# KiCad board PANEL_COM_MOD.kicad_pcb
title: Com. module; date: 2023-12-25; rev: 1.0; company: Aightech
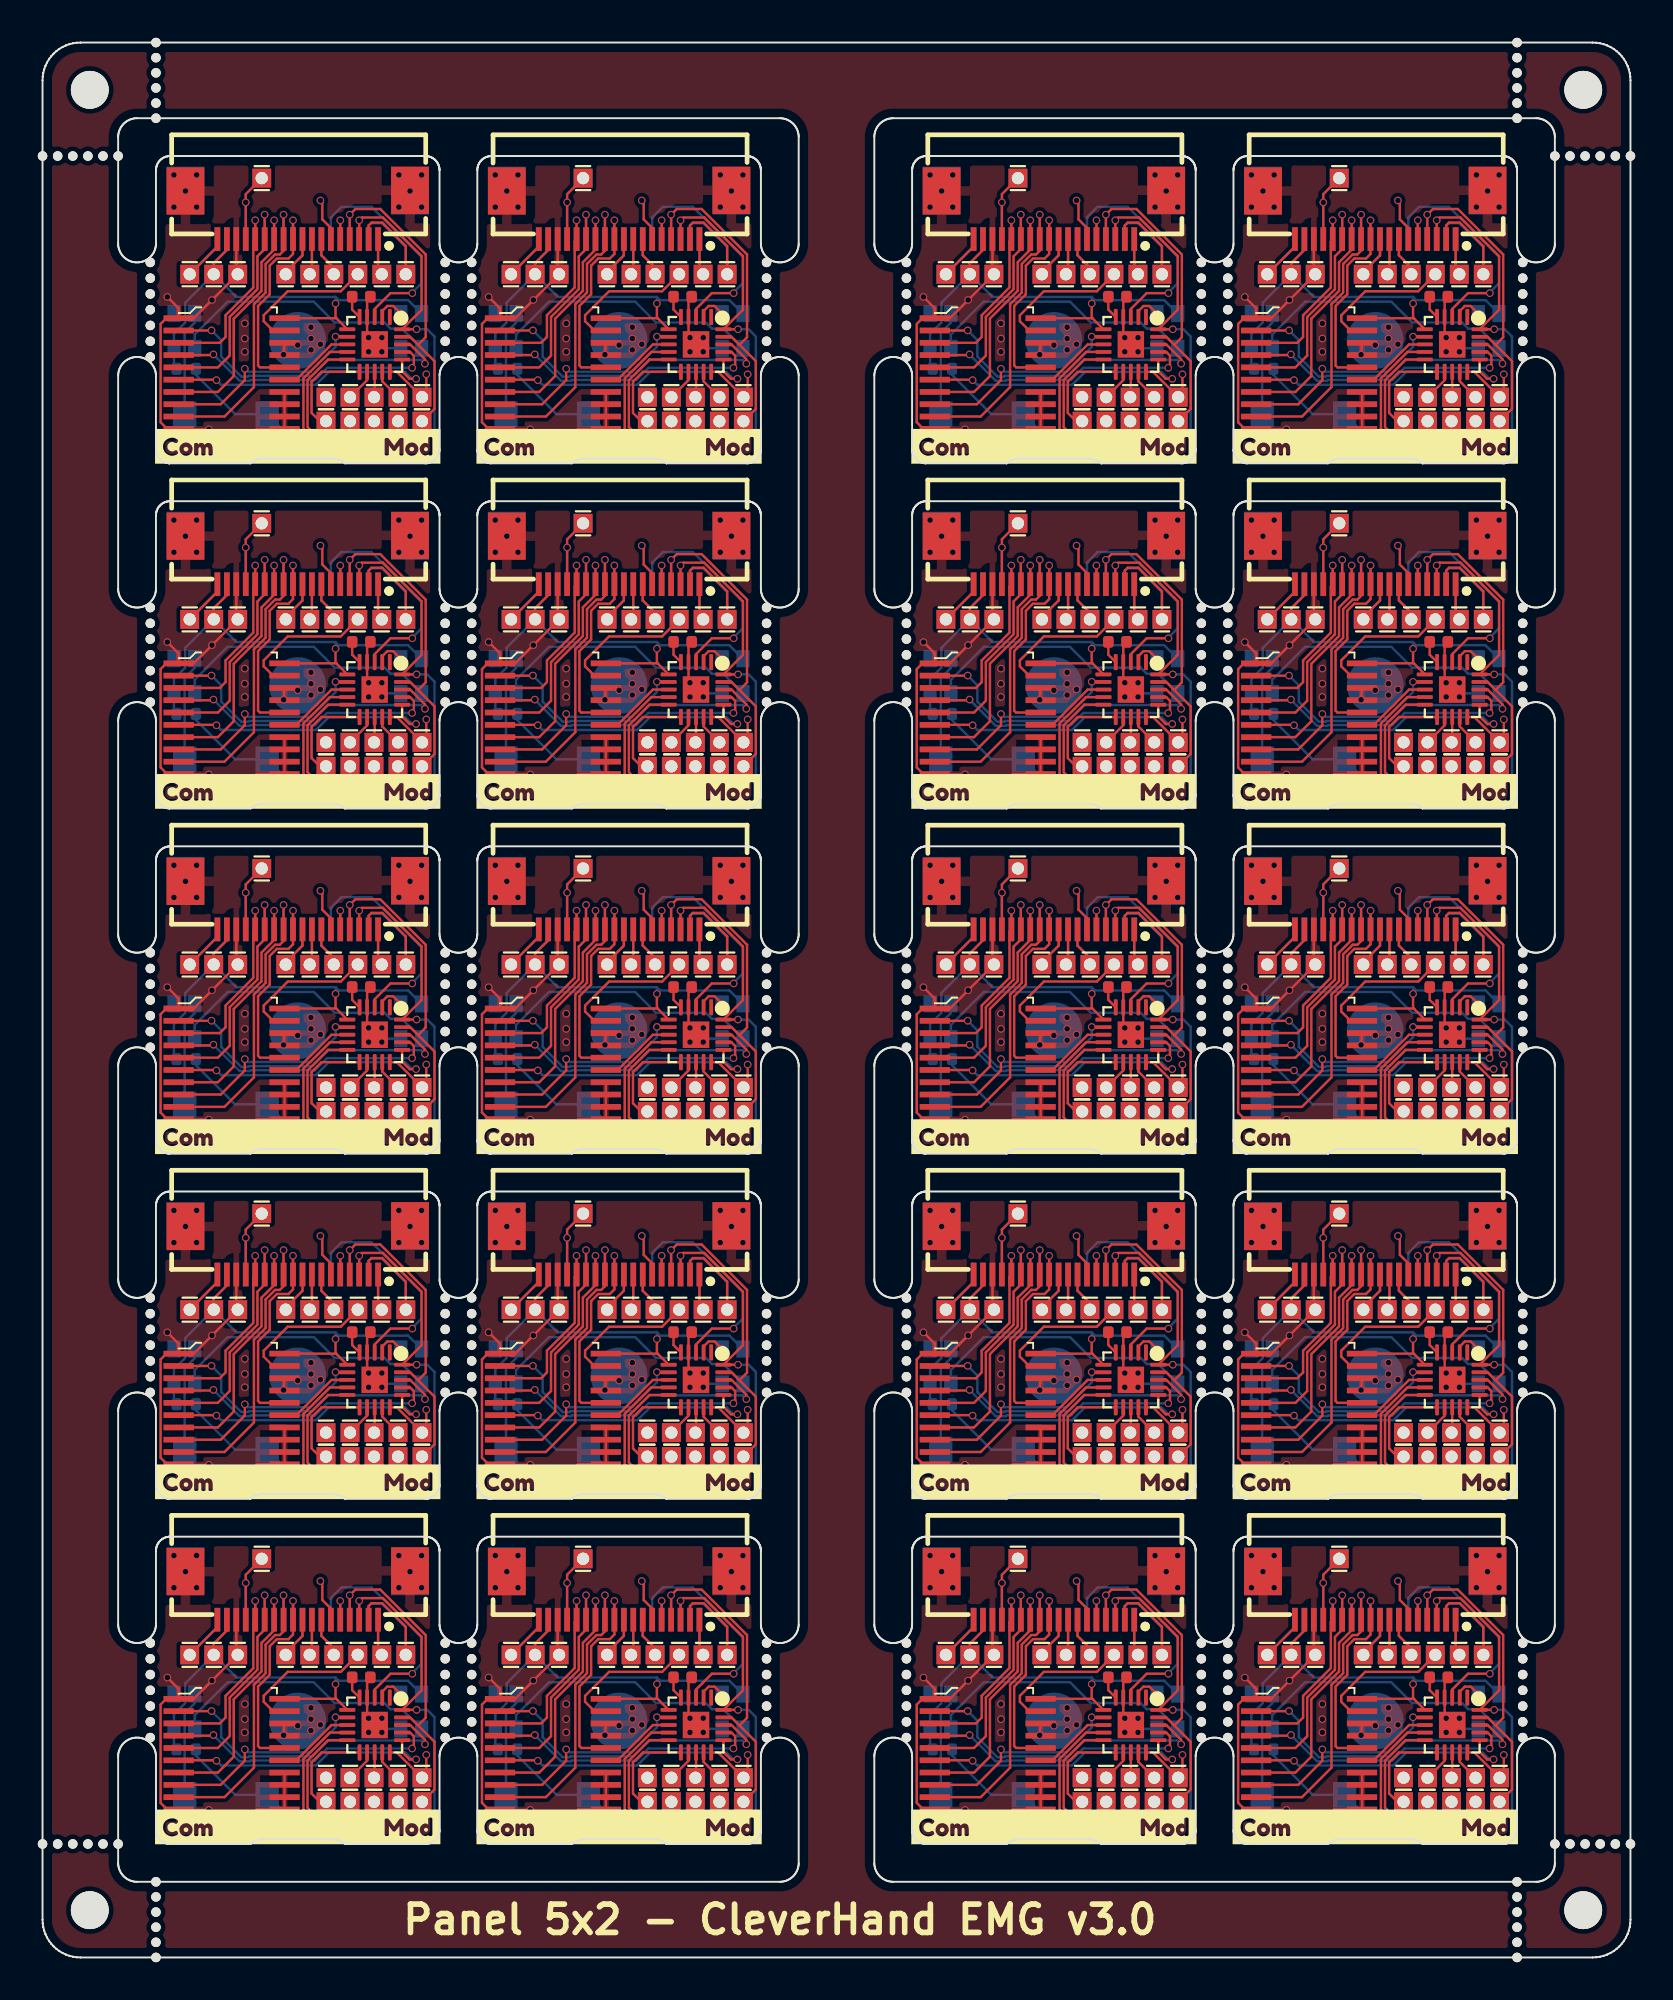
[diagram p0: board, top side]
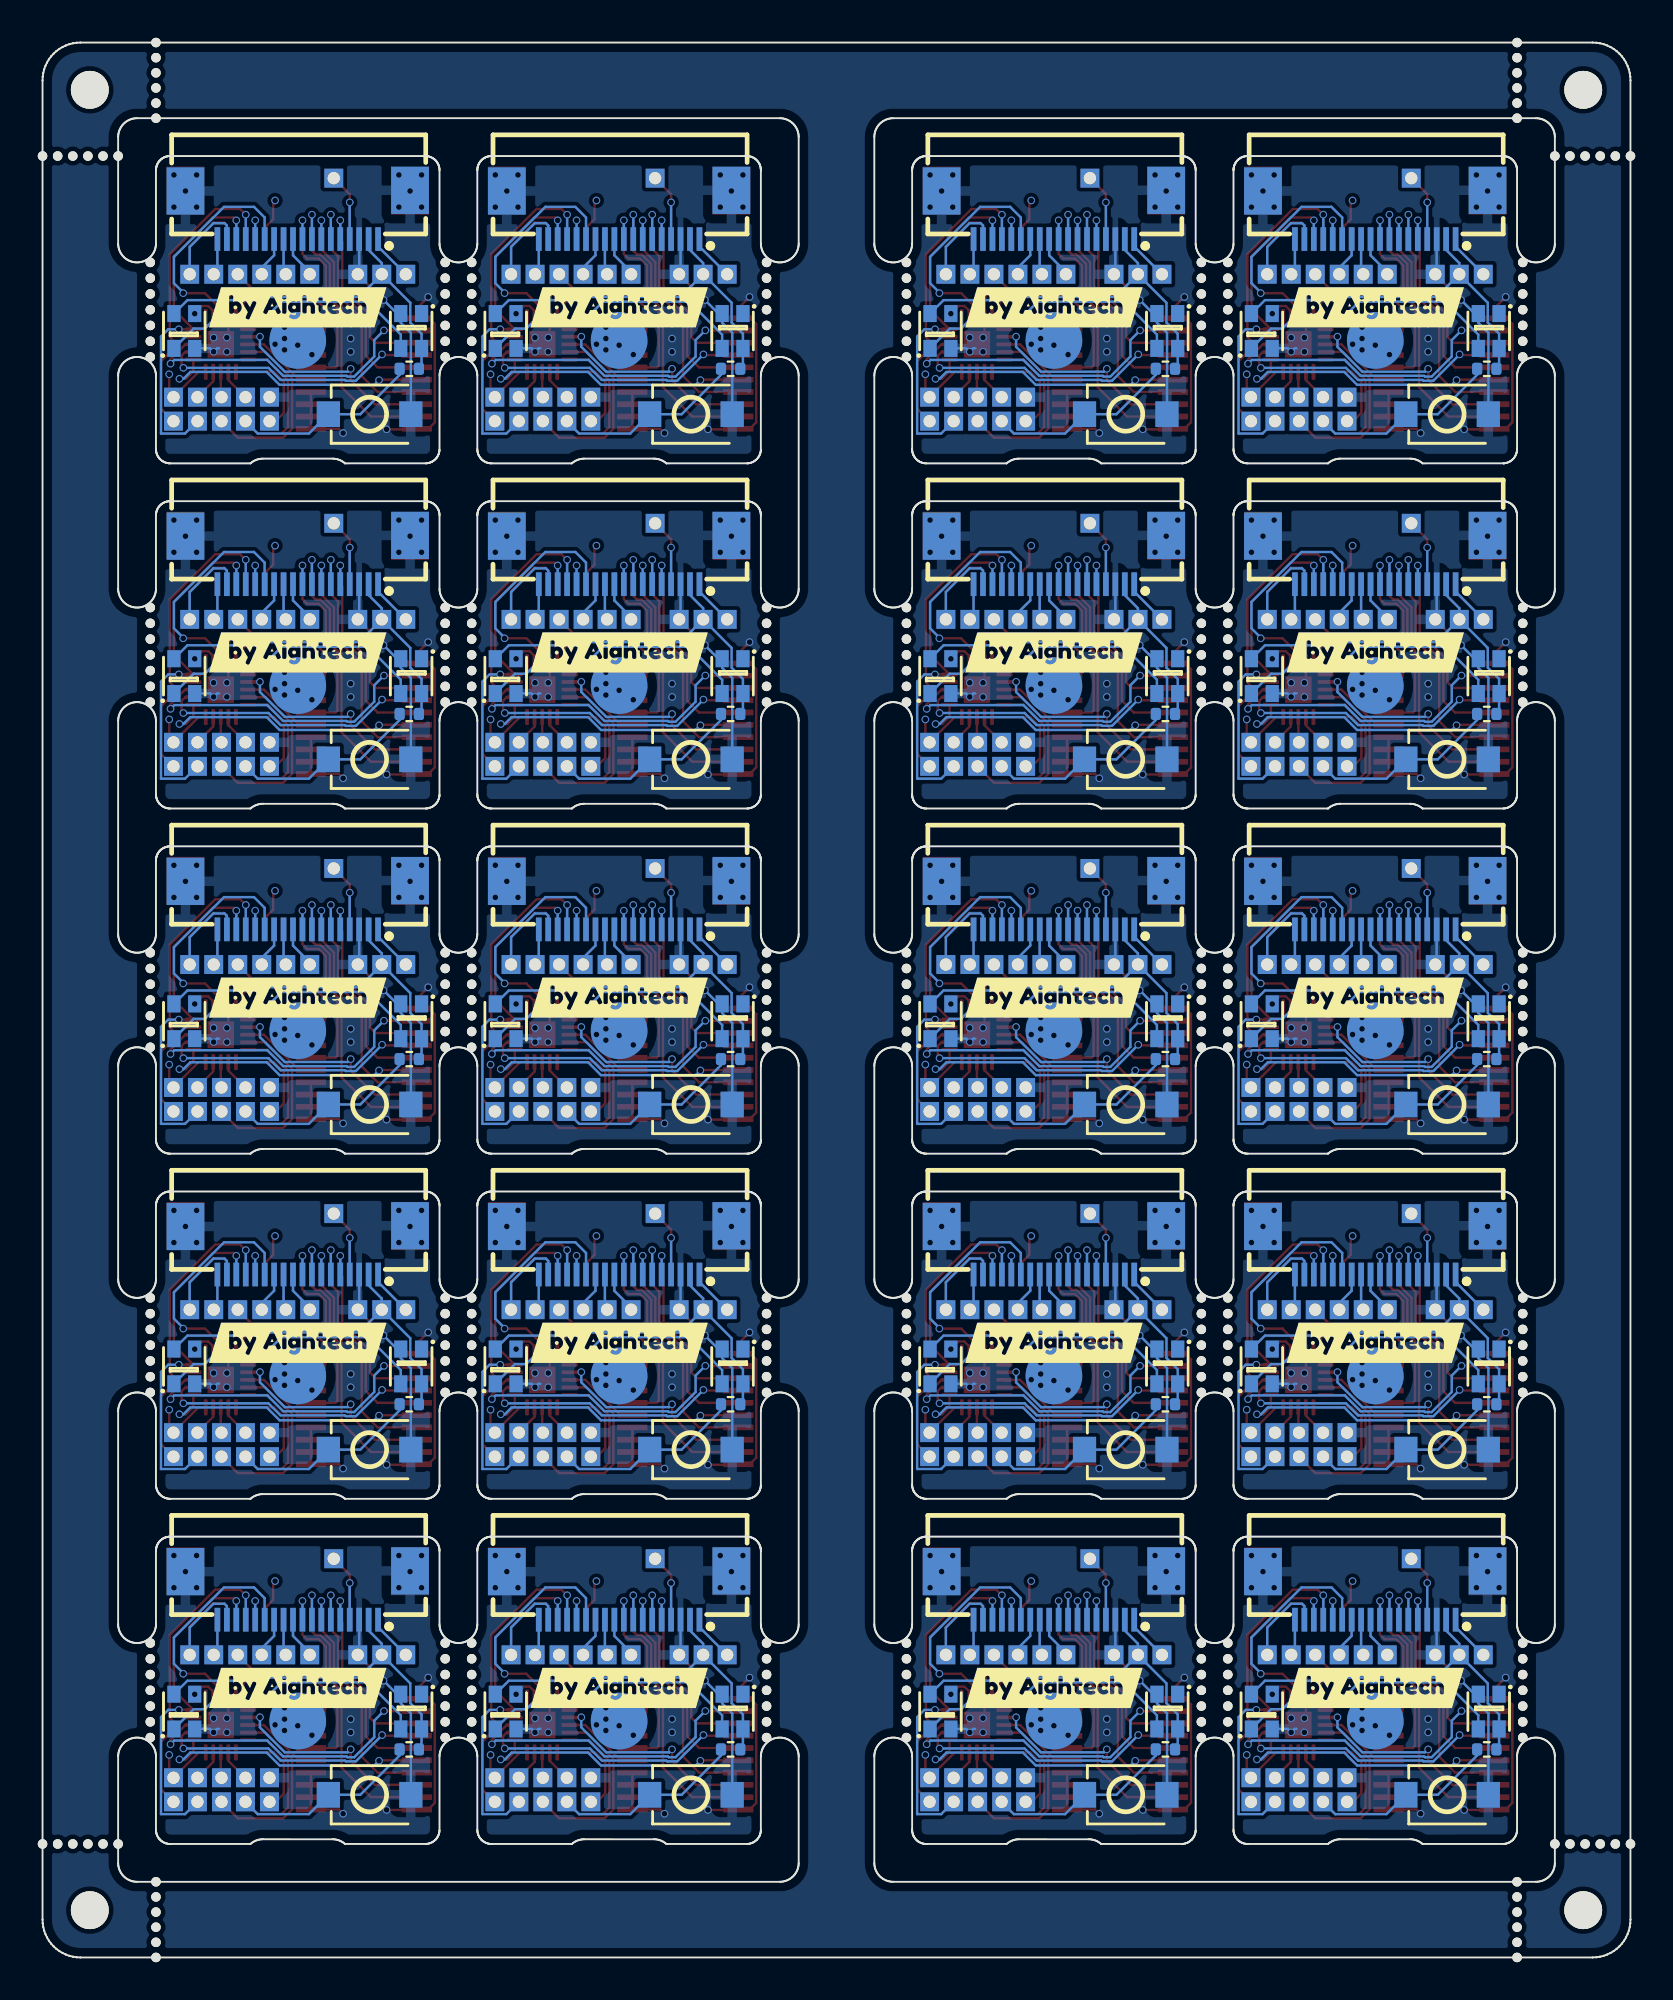
[diagram p1: board, bottom side, seen from below]

Outline 84 x 101.25 mm; copper layers: Top, In1.Cu, In2.Cu, Bottom. Coordinates in mm from the lower left corner of the outline.
Stack: Top 0.035mm / dielectric 0.1mm FR4 er 4.5 / In1.Cu 0.035mm / dielectric 0.44mm FR4 er 4.5 / In2.Cu 0.035mm / dielectric 0.1mm FR4 er 4.5 / Bottom 0.035mm

## Placement (name value [footprint] x y rotation side)
C1  4.7uF  [C_0402_1005Metric]  33.86 69.56 180 top
C1#2  4.7uF  [C_0402_1005Metric]  56.86 51.31 180 top
C1#3  4.7uF  [C_0402_1005Metric]  33.86 33.06 180 top
C1#4  4.7uF  [C_0402_1005Metric]  56.86 69.56 180 top
C1#5  4.7uF  [C_0402_1005Metric]  16.86 69.56 180 top
C1#6  4.7uF  [C_0402_1005Metric]  16.86 14.81 180 top
C1#7  4.7uF  [C_0402_1005Metric]  56.86 14.81 180 top
C1#8  4.7uF  [C_0402_1005Metric]  16.86 33.06 180 top
C1#9  4.7uF  [C_0402_1005Metric]  16.86 51.31 180 top
C1#10  4.7uF  [C_0402_1005Metric]  56.86 33.06 180 top
C1#11  4.7uF  [C_0402_1005Metric]  73.86 33.06 180 top
C1#12  4.7uF  [C_0402_1005Metric]  73.86 69.56 180 top
C1#13  4.7uF  [C_0402_1005Metric]  33.86 14.81 180 top
C1#14  4.7uF  [C_0402_1005Metric]  73.86 14.81 180 top
C1#15  4.7uF  [C_0402_1005Metric]  56.86 87.81 180 top
C1#16  4.7uF  [C_0402_1005Metric]  33.86 51.31 180 top
C1#17  4.7uF  [C_0402_1005Metric]  16.86 87.81 180 top
C1#18  4.7uF  [C_0402_1005Metric]  73.86 51.31 180 top
C1#19  4.7uF  [C_0402_1005Metric]  73.86 87.81 180 top
C1#20  4.7uF  [C_0402_1005Metric]  33.86 87.81 180 top
FPC1  FPC-05F-18PH20  [FPC-SMD_18P-P0.50_FPC-05F-18PH20]  30.5 19.15 0 bottom
FPC1#2  FPC-05F-18PH20  [FPC-SMD_18P-P0.50_FPC-05F-18PH20]  70.5 73.9 0 bottom
FPC1#3  FPC-05F-18PH20  [FPC-SMD_18P-P0.50_FPC-05F-18PH20]  30.5 55.65 0 bottom
FPC1#4  FPC-05F-18PH20  [FPC-SMD_18P-P0.50_FPC-05F-18PH20]  53.5 37.4 0 bottom
FPC1#5  FPC-05F-18PH20  [FPC-SMD_18P-P0.50_FPC-05F-18PH20]  53.5 73.9 0 bottom
FPC1#6  FPC-05F-18PH20  [FPC-SMD_18P-P0.50_FPC-05F-18PH20]  70.5 37.4 0 bottom
FPC1#7  FPC-05F-18PH20  [FPC-SMD_18P-P0.50_FPC-05F-18PH20]  13.5 92.15 0 bottom
FPC1#8  FPC-05F-18PH20  [FPC-SMD_18P-P0.50_FPC-05F-18PH20]  53.5 55.65 0 bottom
FPC1#9  FPC-05F-18PH20  [FPC-SMD_18P-P0.50_FPC-05F-18PH20]  30.5 92.15 0 bottom
FPC1#10  FPC-05F-18PH20  [FPC-SMD_18P-P0.50_FPC-05F-18PH20]  13.5 37.4 0 bottom
FPC1#11  FPC-05F-18PH20  [FPC-SMD_18P-P0.50_FPC-05F-18PH20]  70.5 19.15 0 bottom
FPC1#12  FPC-05F-18PH20  [FPC-SMD_18P-P0.50_FPC-05F-18PH20]  30.5 37.4 0 bottom
FPC1#13  FPC-05F-18PH20  [FPC-SMD_18P-P0.50_FPC-05F-18PH20]  13.5 19.15 0 bottom
FPC1#14  FPC-05F-18PH20  [FPC-SMD_18P-P0.50_FPC-05F-18PH20]  70.5 55.65 0 bottom
FPC1#15  FPC-05F-18PH20  [FPC-SMD_18P-P0.50_FPC-05F-18PH20]  70.5 92.15 0 bottom
FPC1#16  FPC-05F-18PH20  [FPC-SMD_18P-P0.50_FPC-05F-18PH20]  13.5 55.65 0 bottom
FPC1#17  FPC-05F-18PH20  [FPC-SMD_18P-P0.50_FPC-05F-18PH20]  53.5 19.15 0 bottom
FPC1#18  FPC-05F-18PH20  [FPC-SMD_18P-P0.50_FPC-05F-18PH20]  53.5 92.15 0 bottom
FPC1#19  FPC-05F-18PH20  [FPC-SMD_18P-P0.50_FPC-05F-18PH20]  13.5 73.9 0 bottom
FPC1#20  FPC-05F-18PH20  [FPC-SMD_18P-P0.50_FPC-05F-18PH20]  30.5 73.9 0 bottom
FPC2  FPC-05F-18PH20  [FPC-SMD_18P-P0.50_FPC-05F-18PH20]  30.5 73.9 180 top
FPC2#2  FPC-05F-18PH20  [FPC-SMD_18P-P0.50_FPC-05F-18PH20]  13.5 19.15 180 top
FPC2#3  FPC-05F-18PH20  [FPC-SMD_18P-P0.50_FPC-05F-18PH20]  30.5 37.4 180 top
FPC2#4  FPC-05F-18PH20  [FPC-SMD_18P-P0.50_FPC-05F-18PH20]  13.5 73.9 180 top
FPC2#5  FPC-05F-18PH20  [FPC-SMD_18P-P0.50_FPC-05F-18PH20]  53.5 55.65 180 top
FPC2#6  FPC-05F-18PH20  [FPC-SMD_18P-P0.50_FPC-05F-18PH20]  30.5 19.15 180 top
FPC2#7  FPC-05F-18PH20  [FPC-SMD_18P-P0.50_FPC-05F-18PH20]  13.5 55.65 180 top
FPC2#8  FPC-05F-18PH20  [FPC-SMD_18P-P0.50_FPC-05F-18PH20]  13.5 37.4 180 top
FPC2#9  FPC-05F-18PH20  [FPC-SMD_18P-P0.50_FPC-05F-18PH20]  53.5 37.4 180 top
FPC2#10  FPC-05F-18PH20  [FPC-SMD_18P-P0.50_FPC-05F-18PH20]  53.5 92.15 180 top
FPC2#11  FPC-05F-18PH20  [FPC-SMD_18P-P0.50_FPC-05F-18PH20]  70.5 19.15 180 top
FPC2#12  FPC-05F-18PH20  [FPC-SMD_18P-P0.50_FPC-05F-18PH20]  53.5 73.9 180 top
FPC2#13  FPC-05F-18PH20  [FPC-SMD_18P-P0.50_FPC-05F-18PH20]  70.5 37.4 180 top
FPC2#14  FPC-05F-18PH20  [FPC-SMD_18P-P0.50_FPC-05F-18PH20]  53.5 19.15 180 top
FPC2#15  FPC-05F-18PH20  [FPC-SMD_18P-P0.50_FPC-05F-18PH20]  70.5 92.15 180 top
FPC2#16  FPC-05F-18PH20  [FPC-SMD_18P-P0.50_FPC-05F-18PH20]  70.5 73.9 180 top
FPC2#17  FPC-05F-18PH20  [FPC-SMD_18P-P0.50_FPC-05F-18PH20]  70.5 55.65 180 top
FPC2#18  FPC-05F-18PH20  [FPC-SMD_18P-P0.50_FPC-05F-18PH20]  30.5 55.65 180 top
FPC2#19  FPC-05F-18PH20  [FPC-SMD_18P-P0.50_FPC-05F-18PH20]  30.5 92.15 180 top
FPC2#20  FPC-05F-18PH20  [FPC-SMD_18P-P0.50_FPC-05F-18PH20]  13.5 92.15 180 top
I1  smd_insert  [insert_1.2mm]  53.5 12.5 180 bottom
I1#2  smd_insert  [insert_1.2mm]  30.5 85.5 180 bottom
I1#3  smd_insert  [insert_1.2mm]  30.5 30.75 180 bottom
I1#4  smd_insert  [insert_1.2mm]  70.5 12.5 180 bottom
I1#5  smd_insert  [insert_1.2mm]  70.5 30.75 180 bottom
I1#6  smd_insert  [insert_1.2mm]  70.5 67.25 180 bottom
I1#7  smd_insert  [insert_1.2mm]  13.5 85.5 180 bottom
I1#8  smd_insert  [insert_1.2mm]  53.5 30.75 180 bottom
I1#9  smd_insert  [insert_1.2mm]  30.5 12.5 180 bottom
I1#10  smd_insert  [insert_1.2mm]  13.5 12.5 180 bottom
I1#11  smd_insert  [insert_1.2mm]  30.5 49 180 bottom
I1#12  smd_insert  [insert_1.2mm]  53.5 85.5 180 bottom
I1#13  smd_insert  [insert_1.2mm]  13.5 49 180 bottom
I1#14  smd_insert  [insert_1.2mm]  70.5 49 180 bottom
I1#15  smd_insert  [insert_1.2mm]  13.5 30.75 180 bottom
I1#16  smd_insert  [insert_1.2mm]  53.5 67.25 180 bottom
I1#17  smd_insert  [insert_1.2mm]  53.5 49 180 bottom
I1#18  smd_insert  [insert_1.2mm]  13.5 67.25 180 bottom
I1#19  smd_insert  [insert_1.2mm]  70.5 85.5 180 bottom
I1#20  smd_insert  [insert_1.2mm]  30.5 67.25 180 bottom
J1  Conn_01x01_Pin  [PinHeader_1x01_P1.27mm_Vertical]  66.06 70.75 0 top
J1#2  Conn_01x01_Pin  [PinHeader_1x01_P1.27mm_Vertical]  49.05 16 0 top
J1#3  Conn_01x01_Pin  [PinHeader_1x01_P1.27mm_Vertical]  9.05 34.25 0 top
J1#4  Conn_01x01_Pin  [PinHeader_1x01_P1.27mm_Vertical]  26.05 70.75 0 top
J1#5  Conn_01x01_Pin  [PinHeader_1x01_P1.27mm_Vertical]  26.05 34.25 0 top
J1#6  Conn_01x01_Pin  [PinHeader_1x01_P1.27mm_Vertical]  66.06 34.25 0 top
J1#7  Conn_01x01_Pin  [PinHeader_1x01_P1.27mm_Vertical]  9.05 70.75 0 top
J1#8  Conn_01x01_Pin  [PinHeader_1x01_P1.27mm_Vertical]  26.05 52.5 0 top
J1#9  Conn_01x01_Pin  [PinHeader_1x01_P1.27mm_Vertical]  9.05 16 0 top
J1#10  Conn_01x01_Pin  [PinHeader_1x01_P1.27mm_Vertical]  26.05 16 0 top
J1#11  Conn_01x01_Pin  [PinHeader_1x01_P1.27mm_Vertical]  66.06 16 0 top
J1#12  Conn_01x01_Pin  [PinHeader_1x01_P1.27mm_Vertical]  26.05 89 0 top
J1#13  Conn_01x01_Pin  [PinHeader_1x01_P1.27mm_Vertical]  49.05 34.25 0 top
J1#14  Conn_01x01_Pin  [PinHeader_1x01_P1.27mm_Vertical]  49.05 89 0 top
J1#15  Conn_01x01_Pin  [PinHeader_1x01_P1.27mm_Vertical]  9.05 52.5 0 top
J1#16  Conn_01x01_Pin  [PinHeader_1x01_P1.27mm_Vertical]  66.06 52.5 0 top
J1#17  Conn_01x01_Pin  [PinHeader_1x01_P1.27mm_Vertical]  66.06 89 0 top
J1#18  Conn_01x01_Pin  [PinHeader_1x01_P1.27mm_Vertical]  49.05 70.75 0 top
J1#19  Conn_01x01_Pin  [PinHeader_1x01_P1.27mm_Vertical]  49.05 52.5 0 top
J1#20  Conn_01x01_Pin  [PinHeader_1x01_P1.27mm_Vertical]  9.05 89 0 top
J2  Conn_01x01_Pin  [PinHeader_1x01_P1.27mm_Vertical]  10.32 34.25 180 top
J2#2  Conn_01x01_Pin  [PinHeader_1x01_P1.27mm_Vertical]  67.33 16 180 top
J2#3  Conn_01x01_Pin  [PinHeader_1x01_P1.27mm_Vertical]  10.32 70.75 180 top
J2#4  Conn_01x01_Pin  [PinHeader_1x01_P1.27mm_Vertical]  10.32 52.5 180 top
J2#5  Conn_01x01_Pin  [PinHeader_1x01_P1.27mm_Vertical]  67.33 70.75 180 top
J2#6  Conn_01x01_Pin  [PinHeader_1x01_P1.27mm_Vertical]  50.33 34.25 180 top
J2#7  Conn_01x01_Pin  [PinHeader_1x01_P1.27mm_Vertical]  67.33 34.25 180 top
J2#8  Conn_01x01_Pin  [PinHeader_1x01_P1.27mm_Vertical]  10.32 16 180 top
J2#9  Conn_01x01_Pin  [PinHeader_1x01_P1.27mm_Vertical]  27.32 89 180 top
J2#10  Conn_01x01_Pin  [PinHeader_1x01_P1.27mm_Vertical]  10.32 89 180 top
J2#11  Conn_01x01_Pin  [PinHeader_1x01_P1.27mm_Vertical]  50.33 16 180 top
J2#12  Conn_01x01_Pin  [PinHeader_1x01_P1.27mm_Vertical]  27.32 70.75 180 top
J2#13  Conn_01x01_Pin  [PinHeader_1x01_P1.27mm_Vertical]  67.33 89 180 top
J2#14  Conn_01x01_Pin  [PinHeader_1x01_P1.27mm_Vertical]  27.32 16 180 top
J2#15  Conn_01x01_Pin  [PinHeader_1x01_P1.27mm_Vertical]  27.32 52.5 180 top
J2#16  Conn_01x01_Pin  [PinHeader_1x01_P1.27mm_Vertical]  50.33 70.75 180 top
J2#17  Conn_01x01_Pin  [PinHeader_1x01_P1.27mm_Vertical]  67.33 52.5 180 top
J2#18  Conn_01x01_Pin  [PinHeader_1x01_P1.27mm_Vertical]  50.33 52.5 180 top
J2#19  Conn_01x01_Pin  [PinHeader_1x01_P1.27mm_Vertical]  27.32 34.25 180 top
J2#20  Conn_01x01_Pin  [PinHeader_1x01_P1.27mm_Vertical]  50.33 89 180 top
J3  Conn_01x01_Pin  [PinHeader_1x01_P1.27mm_Vertical]  68.59 57.58 0 top  (not fitted)
J3#2  Conn_01x01_Pin  [PinHeader_1x01_P1.27mm_Vertical]  28.59 94.08 0 top  (not fitted)
J3#3  Conn_01x01_Pin  [PinHeader_1x01_P1.27mm_Vertical]  68.59 39.33 0 top  (not fitted)
J3#4  Conn_01x01_Pin  [PinHeader_1x01_P1.27mm_Vertical]  11.59 94.08 0 top  (not fitted)
J3#5  Conn_01x01_Pin  [PinHeader_1x01_P1.27mm_Vertical]  68.59 75.83 0 top  (not fitted)
J3#6  Conn_01x01_Pin  [PinHeader_1x01_P1.27mm_Vertical]  51.59 57.58 0 top  (not fitted)
J3#7  Conn_01x01_Pin  [PinHeader_1x01_P1.27mm_Vertical]  11.59 39.33 0 top  (not fitted)
J3#8  Conn_01x01_Pin  [PinHeader_1x01_P1.27mm_Vertical]  68.59 21.08 0 top  (not fitted)
J3#9  Conn_01x01_Pin  [PinHeader_1x01_P1.27mm_Vertical]  51.59 75.83 0 top  (not fitted)
J3#10  Conn_01x01_Pin  [PinHeader_1x01_P1.27mm_Vertical]  51.59 94.08 0 top  (not fitted)
J3#11  Conn_01x01_Pin  [PinHeader_1x01_P1.27mm_Vertical]  11.59 21.08 0 top  (not fitted)
J3#12  Conn_01x01_Pin  [PinHeader_1x01_P1.27mm_Vertical]  51.59 21.08 0 top  (not fitted)
J3#13  Conn_01x01_Pin  [PinHeader_1x01_P1.27mm_Vertical]  11.59 57.58 0 top  (not fitted)
J3#14  Conn_01x01_Pin  [PinHeader_1x01_P1.27mm_Vertical]  28.59 75.83 0 top  (not fitted)
J3#15  Conn_01x01_Pin  [PinHeader_1x01_P1.27mm_Vertical]  28.59 21.08 0 top  (not fitted)
J3#16  Conn_01x01_Pin  [PinHeader_1x01_P1.27mm_Vertical]  28.59 39.33 0 top  (not fitted)
J3#17  Conn_01x01_Pin  [PinHeader_1x01_P1.27mm_Vertical]  28.59 57.58 0 top  (not fitted)
J3#18  Conn_01x01_Pin  [PinHeader_1x01_P1.27mm_Vertical]  11.59 75.83 0 top  (not fitted)
J3#19  Conn_01x01_Pin  [PinHeader_1x01_P1.27mm_Vertical]  68.59 94.08 0 top  (not fitted)
J3#20  Conn_01x01_Pin  [PinHeader_1x01_P1.27mm_Vertical]  51.59 39.33 0 top  (not fitted)
J5  Conn_01x01_Pin  [PinHeader_1x01_P1.27mm_Vertical]  52.87 34.25 0 top
J5#2  Conn_01x01_Pin  [PinHeader_1x01_P1.27mm_Vertical]  12.86 16 0 top
J5#3  Conn_01x01_Pin  [PinHeader_1x01_P1.27mm_Vertical]  12.86 34.25 0 top
J5#4  Conn_01x01_Pin  [PinHeader_1x01_P1.27mm_Vertical]  12.86 70.75 0 top
J5#5  Conn_01x01_Pin  [PinHeader_1x01_P1.27mm_Vertical]  29.87 70.75 0 top
J5#6  Conn_01x01_Pin  [PinHeader_1x01_P1.27mm_Vertical]  69.86 34.25 0 top
J5#7  Conn_01x01_Pin  [PinHeader_1x01_P1.27mm_Vertical]  69.86 89 0 top
J5#8  Conn_01x01_Pin  [PinHeader_1x01_P1.27mm_Vertical]  29.87 52.5 0 top
J5#9  Conn_01x01_Pin  [PinHeader_1x01_P1.27mm_Vertical]  29.87 34.25 0 top
J5#10  Conn_01x01_Pin  [PinHeader_1x01_P1.27mm_Vertical]  69.86 52.5 0 top
J5#11  Conn_01x01_Pin  [PinHeader_1x01_P1.27mm_Vertical]  52.87 16 0 top
J5#12  Conn_01x01_Pin  [PinHeader_1x01_P1.27mm_Vertical]  29.87 16 0 top
J5#13  Conn_01x01_Pin  [PinHeader_1x01_P1.27mm_Vertical]  69.86 70.75 0 top
J5#14  Conn_01x01_Pin  [PinHeader_1x01_P1.27mm_Vertical]  12.86 52.5 0 top
J5#15  Conn_01x01_Pin  [PinHeader_1x01_P1.27mm_Vertical]  69.86 16 0 top
J5#16  Conn_01x01_Pin  [PinHeader_1x01_P1.27mm_Vertical]  12.86 89 0 top
J5#17  Conn_01x01_Pin  [PinHeader_1x01_P1.27mm_Vertical]  52.87 70.75 0 top
J5#18  Conn_01x01_Pin  [PinHeader_1x01_P1.27mm_Vertical]  29.87 89 0 top
J5#19  Conn_01x01_Pin  [PinHeader_1x01_P1.27mm_Vertical]  52.87 89 0 top
J5#20  Conn_01x01_Pin  [PinHeader_1x01_P1.27mm_Vertical]  52.87 52.5 0 top
J6  Conn_01x01_Pin  [PinHeader_1x01_P1.27mm_Vertical]  71.14 89 0 top
J6#2  Conn_01x01_Pin  [PinHeader_1x01_P1.27mm_Vertical]  54.13 70.75 0 top
J6#3  Conn_01x01_Pin  [PinHeader_1x01_P1.27mm_Vertical]  31.13 89 0 top
J6#4  Conn_01x01_Pin  [PinHeader_1x01_P1.27mm_Vertical]  71.14 16 0 top
J6#5  Conn_01x01_Pin  [PinHeader_1x01_P1.27mm_Vertical]  31.13 16 0 top
J6#6  Conn_01x01_Pin  [PinHeader_1x01_P1.27mm_Vertical]  71.14 52.5 0 top
J6#7  Conn_01x01_Pin  [PinHeader_1x01_P1.27mm_Vertical]  14.14 52.5 0 top
J6#8  Conn_01x01_Pin  [PinHeader_1x01_P1.27mm_Vertical]  71.14 34.25 0 top
J6#9  Conn_01x01_Pin  [PinHeader_1x01_P1.27mm_Vertical]  54.13 89 0 top
J6#10  Conn_01x01_Pin  [PinHeader_1x01_P1.27mm_Vertical]  31.13 52.5 0 top
J6#11  Conn_01x01_Pin  [PinHeader_1x01_P1.27mm_Vertical]  54.13 34.25 0 top
J6#12  Conn_01x01_Pin  [PinHeader_1x01_P1.27mm_Vertical]  31.13 34.25 0 top
J6#13  Conn_01x01_Pin  [PinHeader_1x01_P1.27mm_Vertical]  14.14 70.75 0 top
J6#14  Conn_01x01_Pin  [PinHeader_1x01_P1.27mm_Vertical]  14.14 34.25 0 top
J6#15  Conn_01x01_Pin  [PinHeader_1x01_P1.27mm_Vertical]  54.13 52.5 0 top
J6#16  Conn_01x01_Pin  [PinHeader_1x01_P1.27mm_Vertical]  14.14 89 0 top
J6#17  Conn_01x01_Pin  [PinHeader_1x01_P1.27mm_Vertical]  31.13 70.75 0 top
J6#18  Conn_01x01_Pin  [PinHeader_1x01_P1.27mm_Vertical]  54.13 16 0 top
J6#19  Conn_01x01_Pin  [PinHeader_1x01_P1.27mm_Vertical]  14.14 16 0 top
J6#20  Conn_01x01_Pin  [PinHeader_1x01_P1.27mm_Vertical]  71.14 70.75 0 top
J7  Conn_01x01_Pin  [PinHeader_1x01_P1.27mm_Vertical]  55.41 89 0 top
J7#2  Conn_01x01_Pin  [PinHeader_1x01_P1.27mm_Vertical]  32.41 16 0 top
J7#3  Conn_01x01_Pin  [PinHeader_1x01_P1.27mm_Vertical]  32.41 52.5 0 top
J7#4  Conn_01x01_Pin  [PinHeader_1x01_P1.27mm_Vertical]  32.41 70.75 0 top
J7#5  Conn_01x01_Pin  [PinHeader_1x01_P1.27mm_Vertical]  55.41 70.75 0 top
J7#6  Conn_01x01_Pin  [PinHeader_1x01_P1.27mm_Vertical]  55.41 34.25 0 top
J7#7  Conn_01x01_Pin  [PinHeader_1x01_P1.27mm_Vertical]  55.41 16 0 top
J7#8  Conn_01x01_Pin  [PinHeader_1x01_P1.27mm_Vertical]  32.41 34.25 0 top
J7#9  Conn_01x01_Pin  [PinHeader_1x01_P1.27mm_Vertical]  15.41 70.75 0 top
J7#10  Conn_01x01_Pin  [PinHeader_1x01_P1.27mm_Vertical]  72.41 16 0 top
J7#11  Conn_01x01_Pin  [PinHeader_1x01_P1.27mm_Vertical]  15.41 52.5 0 top
J7#12  Conn_01x01_Pin  [PinHeader_1x01_P1.27mm_Vertical]  72.41 70.75 0 top
J7#13  Conn_01x01_Pin  [PinHeader_1x01_P1.27mm_Vertical]  15.41 16 0 top
J7#14  Conn_01x01_Pin  [PinHeader_1x01_P1.27mm_Vertical]  15.41 34.25 0 top
J7#15  Conn_01x01_Pin  [PinHeader_1x01_P1.27mm_Vertical]  32.41 89 0 top
J7#16  Conn_01x01_Pin  [PinHeader_1x01_P1.27mm_Vertical]  72.41 89 0 top
J7#17  Conn_01x01_Pin  [PinHeader_1x01_P1.27mm_Vertical]  72.41 34.25 0 top
J7#18  Conn_01x01_Pin  [PinHeader_1x01_P1.27mm_Vertical]  55.41 52.5 0 top
J7#19  Conn_01x01_Pin  [PinHeader_1x01_P1.27mm_Vertical]  15.41 89 0 top
J7#20  Conn_01x01_Pin  [PinHeader_1x01_P1.27mm_Vertical]  72.41 52.5 0 top
J8  Conn_01x01_Pin  [PinHeader_1x01_P1.27mm_Vertical]  33.67 52.5 0 top
J8#2  Conn_01x01_Pin  [PinHeader_1x01_P1.27mm_Vertical]  33.67 89 0 top
J8#3  Conn_01x01_Pin  [PinHeader_1x01_P1.27mm_Vertical]  56.67 70.75 0 top
J8#4  Conn_01x01_Pin  [PinHeader_1x01_P1.27mm_Vertical]  73.67 34.25 0 top
J8#5  Conn_01x01_Pin  [PinHeader_1x01_P1.27mm_Vertical]  33.67 70.75 0 top
J8#6  Conn_01x01_Pin  [PinHeader_1x01_P1.27mm_Vertical]  56.67 34.25 0 top
J8#7  Conn_01x01_Pin  [PinHeader_1x01_P1.27mm_Vertical]  16.68 16 0 top
J8#8  Conn_01x01_Pin  [PinHeader_1x01_P1.27mm_Vertical]  16.68 70.75 0 top
J8#9  Conn_01x01_Pin  [PinHeader_1x01_P1.27mm_Vertical]  56.67 89 0 top
J8#10  Conn_01x01_Pin  [PinHeader_1x01_P1.27mm_Vertical]  73.67 89 0 top
J8#11  Conn_01x01_Pin  [PinHeader_1x01_P1.27mm_Vertical]  56.67 16 0 top
J8#12  Conn_01x01_Pin  [PinHeader_1x01_P1.27mm_Vertical]  73.67 52.5 0 top
J8#13  Conn_01x01_Pin  [PinHeader_1x01_P1.27mm_Vertical]  16.68 52.5 0 top
J8#14  Conn_01x01_Pin  [PinHeader_1x01_P1.27mm_Vertical]  33.67 34.25 0 top
J8#15  Conn_01x01_Pin  [PinHeader_1x01_P1.27mm_Vertical]  73.67 70.75 0 top
J8#16  Conn_01x01_Pin  [PinHeader_1x01_P1.27mm_Vertical]  33.67 16 0 top
J8#17  Conn_01x01_Pin  [PinHeader_1x01_P1.27mm_Vertical]  16.68 34.25 0 top
J8#18  Conn_01x01_Pin  [PinHeader_1x01_P1.27mm_Vertical]  16.68 89 0 top
J8#19  Conn_01x01_Pin  [PinHeader_1x01_P1.27mm_Vertical]  56.67 52.5 0 top
J8#20  Conn_01x01_Pin  [PinHeader_1x01_P1.27mm_Vertical]  73.67 16 0 top
J9  Conn_01x01_Pin  [PinHeader_1x01_P1.27mm_Vertical]  74.94 52.5 0 top
J9#2  Conn_01x01_Pin  [PinHeader_1x01_P1.27mm_Vertical]  17.95 89 0 top
J9#3  Conn_01x01_Pin  [PinHeader_1x01_P1.27mm_Vertical]  17.95 52.5 0 top
J9#4  Conn_01x01_Pin  [PinHeader_1x01_P1.27mm_Vertical]  34.95 89 0 top
J9#5  Conn_01x01_Pin  [PinHeader_1x01_P1.27mm_Vertical]  57.95 16 0 top
J9#6  Conn_01x01_Pin  [PinHeader_1x01_P1.27mm_Vertical]  34.95 16 0 top
J9#7  Conn_01x01_Pin  [PinHeader_1x01_P1.27mm_Vertical]  57.95 70.75 0 top
J9#8  Conn_01x01_Pin  [PinHeader_1x01_P1.27mm_Vertical]  34.95 70.75 0 top
J9#9  Conn_01x01_Pin  [PinHeader_1x01_P1.27mm_Vertical]  74.94 89 0 top
J9#10  Conn_01x01_Pin  [PinHeader_1x01_P1.27mm_Vertical]  57.95 34.25 0 top
J9#11  Conn_01x01_Pin  [PinHeader_1x01_P1.27mm_Vertical]  57.95 52.5 0 top
J9#12  Conn_01x01_Pin  [PinHeader_1x01_P1.27mm_Vertical]  74.94 16 0 top
J9#13  Conn_01x01_Pin  [PinHeader_1x01_P1.27mm_Vertical]  74.94 70.75 0 top
J9#14  Conn_01x01_Pin  [PinHeader_1x01_P1.27mm_Vertical]  17.95 16 0 top
J9#15  Conn_01x01_Pin  [PinHeader_1x01_P1.27mm_Vertical]  34.95 52.5 0 top
J9#16  Conn_01x01_Pin  [PinHeader_1x01_P1.27mm_Vertical]  57.95 89 0 top
J9#17  Conn_01x01_Pin  [PinHeader_1x01_P1.27mm_Vertical]  74.94 34.25 0 top
J9#18  Conn_01x01_Pin  [PinHeader_1x01_P1.27mm_Vertical]  17.95 34.25 0 top
J9#19  Conn_01x01_Pin  [PinHeader_1x01_P1.27mm_Vertical]  17.95 70.75 0 top
J9#20  Conn_01x01_Pin  [PinHeader_1x01_P1.27mm_Vertical]  34.95 34.25 0 top
J11  Conn_01x01_Pin  [PinHeader_1x01_P1.27mm_Vertical]  20.07 9.5 180 top
J11#2  Conn_01x01_Pin  [PinHeader_1x01_P1.27mm_Vertical]  37.07 82.5 180 top
J11#3  Conn_01x01_Pin  [PinHeader_1x01_P1.27mm_Vertical]  77.07 46 180 top
J11#4  Conn_01x01_Pin  [PinHeader_1x01_P1.27mm_Vertical]  60.07 64.25 180 top
J11#5  Conn_01x01_Pin  [PinHeader_1x01_P1.27mm_Vertical]  77.07 27.75 180 top
J11#6  Conn_01x01_Pin  [PinHeader_1x01_P1.27mm_Vertical]  20.07 64.25 180 top
J11#7  Conn_01x01_Pin  [PinHeader_1x01_P1.27mm_Vertical]  77.07 9.5 180 top
J11#8  Conn_01x01_Pin  [PinHeader_1x01_P1.27mm_Vertical]  77.07 64.25 180 top
J11#9  Conn_01x01_Pin  [PinHeader_1x01_P1.27mm_Vertical]  20.07 27.75 180 top
J11#10  Conn_01x01_Pin  [PinHeader_1x01_P1.27mm_Vertical]  60.07 82.5 180 top
J11#11  Conn_01x01_Pin  [PinHeader_1x01_P1.27mm_Vertical]  37.07 46 180 top
J11#12  Conn_01x01_Pin  [PinHeader_1x01_P1.27mm_Vertical]  60.07 9.5 180 top
J11#13  Conn_01x01_Pin  [PinHeader_1x01_P1.27mm_Vertical]  77.07 82.5 180 top
J11#14  Conn_01x01_Pin  [PinHeader_1x01_P1.27mm_Vertical]  60.07 46 180 top
J11#15  Conn_01x01_Pin  [PinHeader_1x01_P1.27mm_Vertical]  37.07 27.75 180 top
J11#16  Conn_01x01_Pin  [PinHeader_1x01_P1.27mm_Vertical]  20.07 46 180 top